# Altium PCB 1VAR_TOP.PcbDoc (part 1 of 4) (continued)
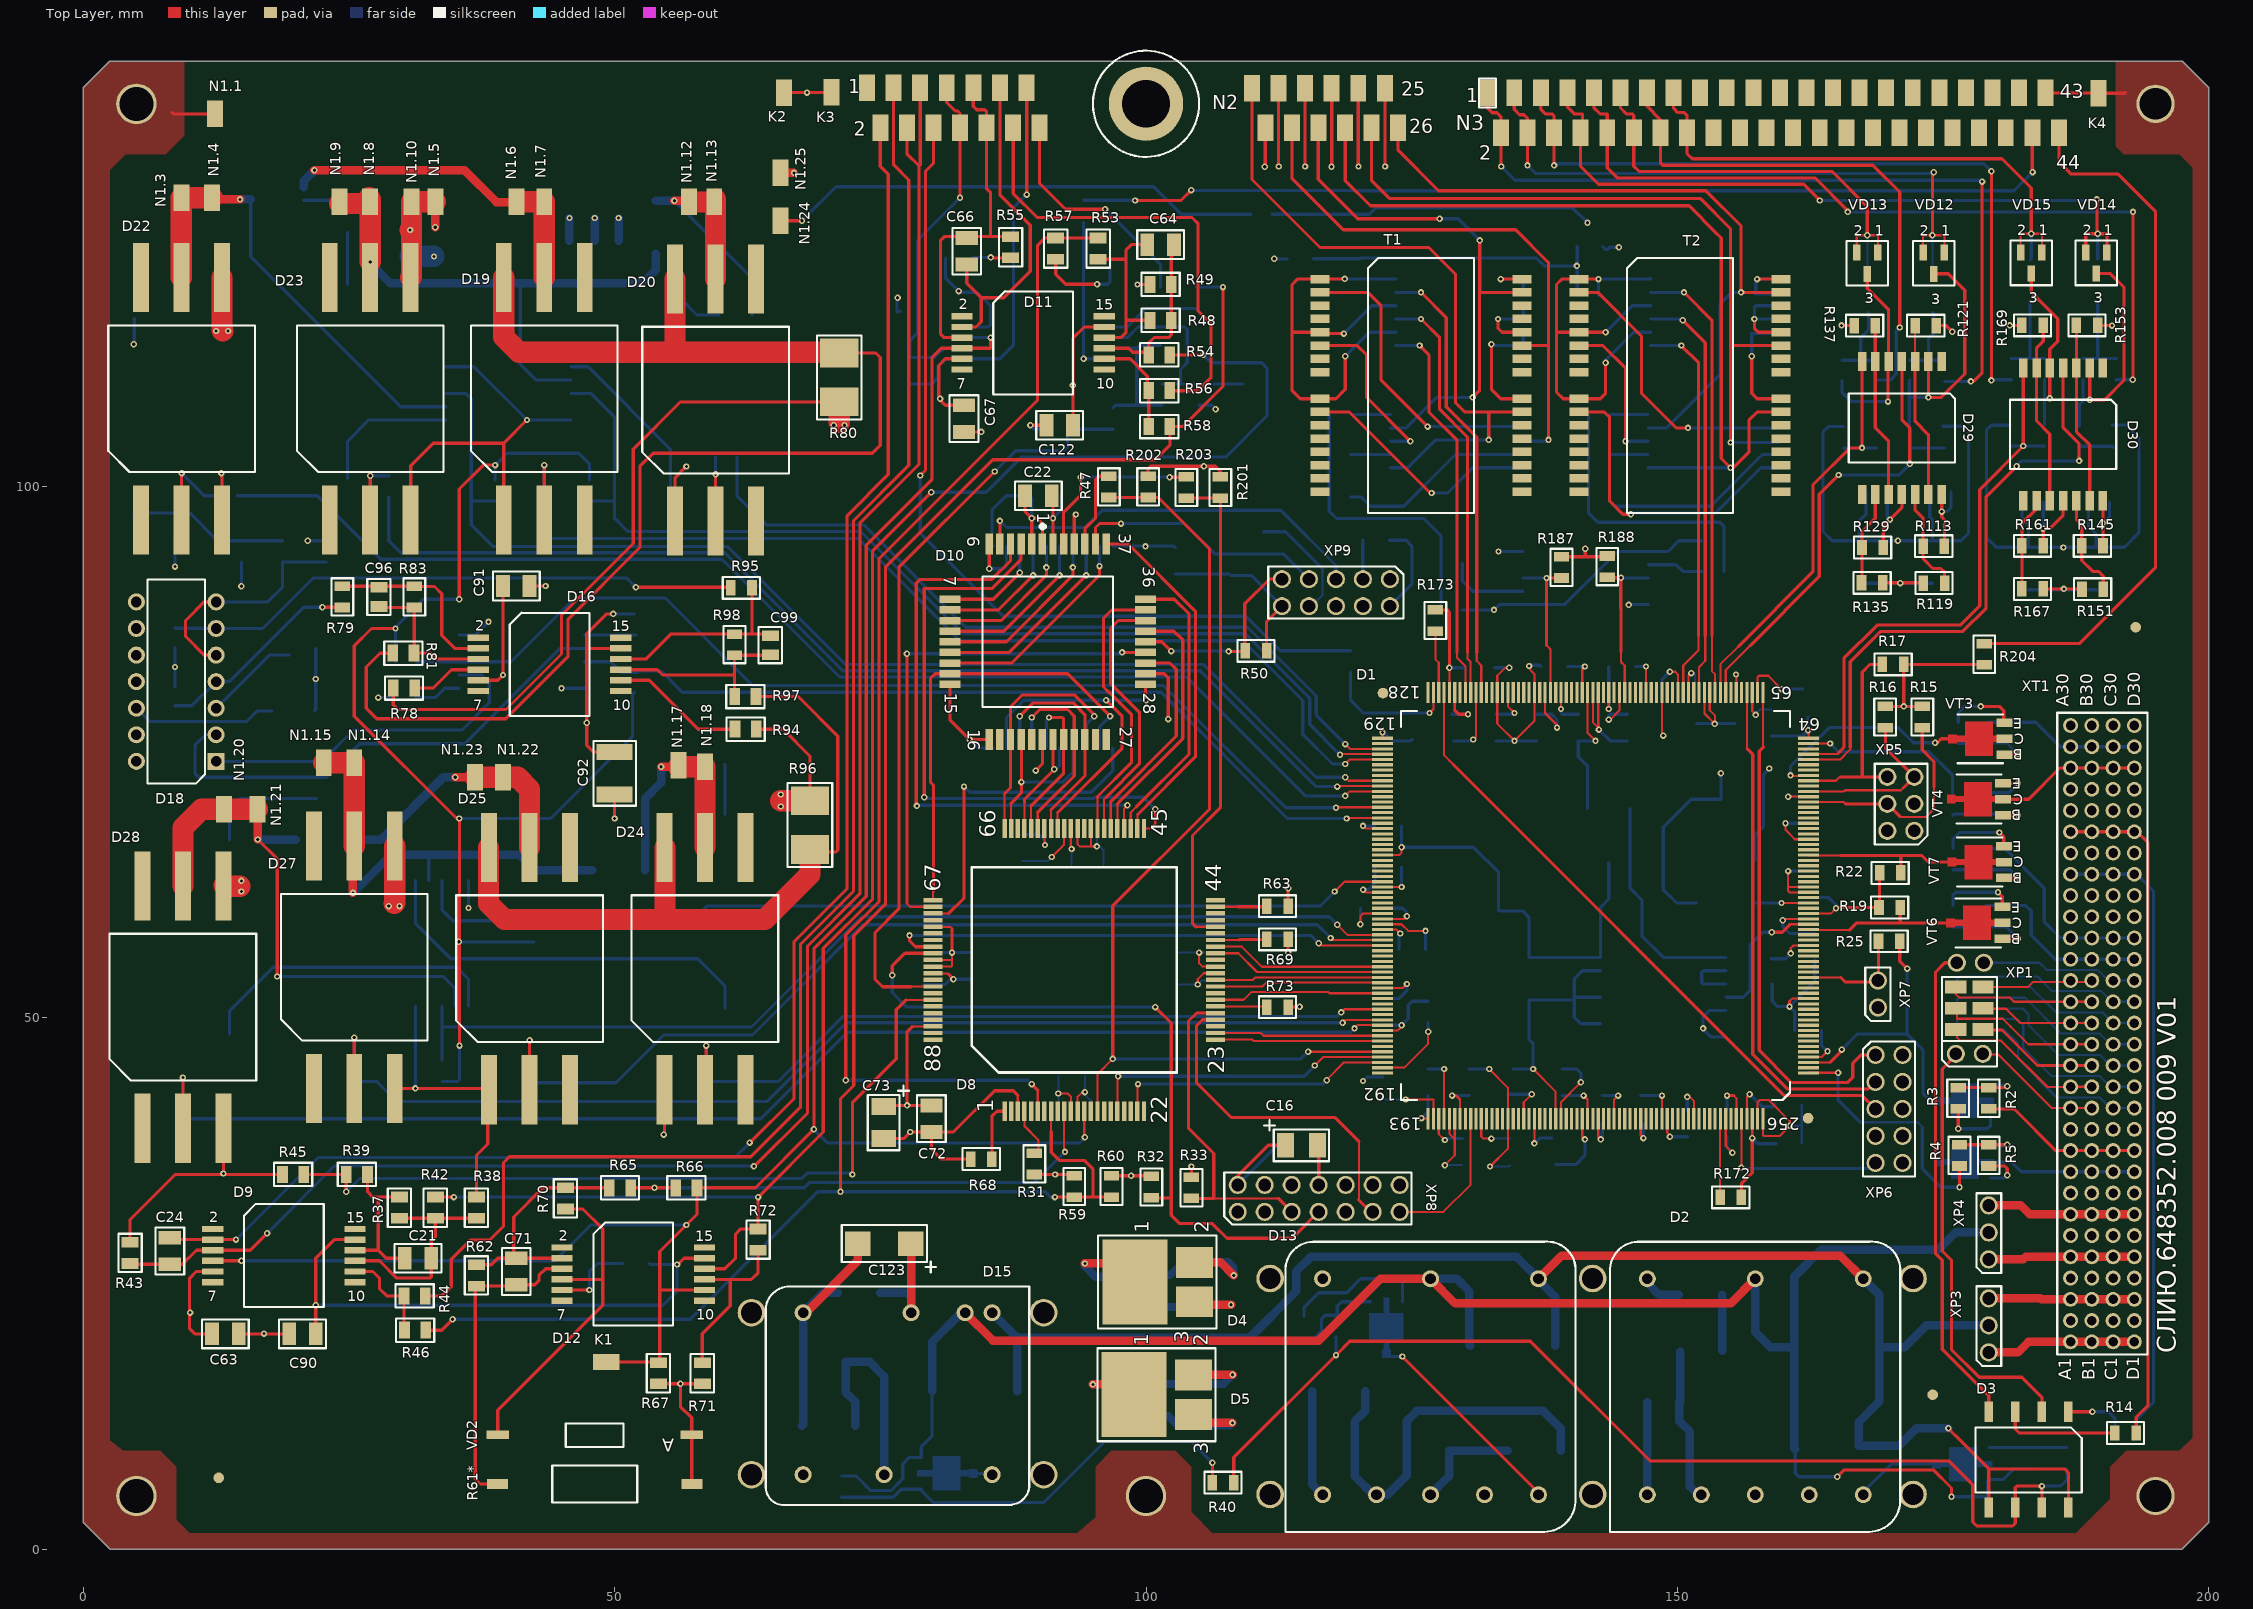
[diagram p0: Top Layer view]
## Components (designator, comment, footprint, x,y, rotation, side; value= is the part's Value field where it differs from the comment) (continued)
R60 "PartNumber" R1_112_W125 96.75,34.125 r270 top
R61* "PartNumber" C2_29V_0W125 48.125,6.125 r180 top
R62 "PartNumber" R1_8MP_0W125 37,24.75 r90 top
R63 "PartNumber" R1_112_W125 112.375,60.5 r0 top
R65 "PartNumber" R1_8MP_0W125 51.5,34 r180 top
R66 "PartNumber" R1_8MP_0W125 57.75,34 r180 top
R67 "PartNumber" R1_8MP_0W125 54.125,17.55 r270 top
R68 "PartNumber" R1_112_W125 84.5,36.7 r0 top
R69 "PartNumber" R1_112_W125 112.375,57.375 r0 top
R70 "PartNumber" R1_8MP_0W125 45.375,32 r90 top
R71 "PartNumber" R1_8MP_0W125 58.25,17.55 r270 top
R72 "PartNumber" R1_8MP_0W125 63.5,30.125 r270 top
R73 "PartNumber" R1_112_W125 112.375,51 r180 top
R74 "PartNumber" R1_112_W125 114.875,20.875 r90 bottom
R75 "PartNumber" R1_112_W125 117.875,21 r90 bottom
R76 "PartNumber" R1_112_W125 51.875,87 r90 bottom
R77 "PartNumber" R1_112_W125 30.375,83.5 r180 bottom
R78 "PartNumber" R1_8MP_0W125 29.175,81.025 r0 top
R79 "PartNumber" R1_112_W125 24.375,89.6 r270 top
R80 "PartNumber" R2_105_2W0 71.125,110.25 r270 top
R81 "PartNumber" R1_8MP_0W125 29.125,84.3 r0 top
R82 "PartNumber" R1_112_W125 14.875,93.875 r270 bottom
R83 "PartNumber" R1_112_W125 31.15,89.6 r90 top
R84 "PartNumber" R1_112_W125 43.375,99.625 r90 bottom
R85 "PartNumber" R1_112_W125 60.5,102.75 r180 bottom
R86 "PartNumber" R1_112_W25 24.875,125.5 r90 bottom
R87 "PartNumber" R1_112_W25 61.375,116.125 r0 bottom
R88 "PartNumber" R1_112_W125 47.625,99.625 r90 bottom
R89 "PartNumber" R1_112_W125 38.75,99.625 r90 bottom
R90 "PartNumber" R1_112_W125 13.5,99.125 r180 bottom
R91 "PartNumber" R1_112_W125 28.75,100 r90 bottom
R92 "PartNumber" R1_112_W125 30.25,80.125 r180 bottom
R93 "PartNumber" R1_112_W125 51.875,81.625 r270 bottom
R94 "PartNumber" R1_8MP_0W125 63.325,77.15 r180 top
R95 "PartNumber" R1_112_W125 61.925,90.45 r180 top
R96 "PartNumber" R2_105_2W0 68.375,68.125 r90 top
R97 "PartNumber" R1_8MP_0W125 63.3,80.225 r180 top
R98 "PartNumber" R1_112_W125 61.275,85.1 r90 top
R99 "PartNumber" R1_112_W125 58.5,45 r90 bottom
R100 "PartNumber" R1_112_W125 42,44.875 r90 bottom
R101 "PartNumber" R1_112_W25 58.8,73.825 r180 bottom
R102 "PartNumber" R1_112_W25 23.5,70.625 r0 bottom
R103 "PartNumber" R1_112_W125 42.4,58.125 r270 bottom
R104 "PartNumber" R1_112_W125 33.75,45 r270 bottom
R105 "PartNumber" R1_112_W125 25.5,45 r90 bottom
R106 "PartNumber" R1_112_W125 9.375,41.5 r90 bottom
R107 "PartNumber" R1_112_W125 174.75,99.5 r180 bottom
R108 "PartNumber" R1_112_W125 175,104.65 r90 bottom
R111 "PartNumber" R1_112_W125 171.825,104.625 r270 bottom
R113 "PartNumber" R1_112_W125 174.125,94.375 r180 top
R115 "PartNumber" R1_112_W125 175.125,110.875 r90 bottom
R116 "PartNumber" R1_112_W125 171.875,111 r270 bottom
R119 "PartNumber" R1_112_W125 174.15,90.9 r0 top
R121 "PartNumber" R1_112_W125 173.375,115.125 r180 top
R123 "PartNumber" R1_112_W125 168.75,99.625 r180 bottom
R124 "PartNumber" R1_112_W125 165.625,104.625 r90 bottom
R127 "PartNumber" R1_112_W125 168.75,104.625 r270 bottom
R129 "PartNumber" R1_112_W125 168.375,94.25 r180 top
R131 "PartNumber" R1_112_W125 168.75,111 r90 bottom
R132 "PartNumber" R1_112_W125 165.5,110.975 r270 bottom
R135 "PartNumber" R1_112_W125 168.325,90.925 r180 top
R137 "PartNumber" R1_112_W125 167.625,115.125 r0 top
R139 "PartNumber" R1_112_W125 189.675,98.525 r180 bottom
R140 "PartNumber" R1_112_W125 190.925,104.775 r90 bottom
R143 "PartNumber" R1_112_W125 187.825,104.7 r270 bottom
R145 "PartNumber" R1_112_W125 189.05,94.4 r180 top
R147 "PartNumber" R1_112_W125 191.3,111.025 r90 bottom
R148 "PartNumber" R1_112_W125 188.175,111.025 r270 bottom
R151 "PartNumber" R1_112_W125 189.075,90.325 r0 top
R153 "PartNumber" R1_112_W125 188.55,115.15 r180 top
R155 "PartNumber" R1_112_W125 183.425,98.525 r180 bottom
R156 "PartNumber" R1_112_W125 181.3,104.775 r90 bottom
R159 "PartNumber" R1_112_W125 184.55,104.775 r270 bottom
R161 "PartNumber" R1_112_W125 183.425,94.4 r180 top
R163 "PartNumber" R1_112_W125 181.425,111.025 r90 bottom
R164 "PartNumber" R1_112_W125 184.55,111.025 r270 bottom
R167 "PartNumber" R1_112_W125 183.425,90.35 r180 top
R169 "PartNumber" R1_112_W125 183.425,115.15 r0 top
R170 "PartNumber" R1_112_W125 126.55,50.55 r90 bottom
R171 "PartNumber" R1_112_W125 122.3,43.425 r90 bottom
R172 "PartNumber" R1_112_W125 155.025,33.1 r0 top
R173 "PartNumber" R1_112_W125 127.225,87.375 r270 top
R187 "PartNumber" R1_112_W125 139.1,92.375 r90 top
R188 "PartNumber" R1_112_W125 143.4,92.45 r90 top
R189 "PartNumber" R1_112_W125 153.25,94.875 r180 bottom
R190 "PartNumber" R1_112_W125 128.75,88.375 r0 bottom
R191 "PartNumber" R1_112_W125 141.575,117.95 r180 bottom
R192 "PartNumber" R1_112_W125 120.2,120.475 r90 bottom
R193 "PartNumber" R1_112_W125 142.625,106.75 r180 bottom
R194 "PartNumber" R1_112_W125 153.375,92 r180 bottom
R195 "PartNumber" R1_112_W125 118.25,106.75 r180 bottom
R196 "PartNumber" R1_112_W125 128.75,92.75 r0 bottom
R197 "PartNumber" R1_112_W125 142.625,99.625 r180 bottom
R198 "PartNumber" R1_112_W125 118.25,99 r180 bottom
R199 "PartNumber" R1_112_W125 142.625,103 r180 bottom
R200 "PartNumber" R1_112_W125 118.25,103 r180 bottom
R201 "PartNumber" R1_112_W125 107,99.9 r90 top
R202 "PartNumber" R1_112_W125 100.2,99.95 r90 top
R203 "PartNumber" R1_112_W125 103.8,99.9 r90 top
R204 "PartNumber" R1_112_W125 178.875,84.2 r270 top
R205 "PartNumber" R1_112_W125 119.25,83.525 r270 bottom
R206 "PartNumber" R1_112_W125 94.15,125.925 r270 bottom
R207 "PartNumber" R1_112_W125 110.85,125.6 r0 bottom
R208 "PartNumber" R1_8MP_0W125 18.75,92.875 r90 bottom
R209 "PartNumber" R1_8MP_0W125 22.875,94.875 r270 bottom
T1 "PartNumber" BTI9 125.875,109.5 r0 top
T2 "PartNumber" BTI9 150.25,109.5 r0 top locked
VD1 "2D510A" 2D510A_P 139.925,60.05 r180 bottom
VD2 "PartNumber" 2S222G 48,10.75 r180 top
VD3 "PartNumber" 2S222G 4.8,106.525 r270 bottom
VD4 "PartNumber" 2D212A_PL 18.25,119.875 r270 bottom
VD5 "PartNumber" 2S222G 24.875,110 r90 bottom
VD6 "PartNumber" 2D212A_PL 61.125,124.375 r0 bottom
VD7 "PartNumber" 2S222G 55.25,108.75 r90 bottom
VD8 "PartNumber" 2D212A_PL 50.375,56.625 r270 bottom
VD9 "PartNumber" 2S222G 60.375,60.125 r90 bottom
VD10 "PartNumber" 2D212A_PL 22.5,59.5 r270 bottom
VD11 "PartNumber" 2S222G 13.75,57.75 r90 bottom
VD12 "2D707AC9" 2D707AC9 174.125,121 r0 top
VD13 "2D707AC9" 2D707AC9 167.875,121 r0 top
VD14 "2D707AC9" 2D707AC9 189.425,121.025 r0 top
VD15 "2D707AC9" 2D707AC9 183.3,121.025 r0 top
VT1 "2T665A91" 2T665A91 177.175,42.175 r180 bottom
VT2 "2T665A91" 2T665A91 177.175,36.425 r180 bottom
VT3 "2T665A91" 2T665A91 178.5,76.25 r180 top
VT4 "2T665A91" 2T665A91 178.375,70.575 r180 top
VT5 "2T665A91" 2T665A91 177,8 r180 bottom
VT6 "2T665A91" 2T665A91 178.3,58.925 r180 top
VT7 "2T665A91" 2T665A91 178.45,64.65 r180 top
VT8 "2T665A91" 2T665A91 81.125,7.125 r0 bottom
VT9 "2T665A91" 2T665A91 122.625,21 r270 bottom
XP1 "PartNumber" SNP346_2_8P 177.475,49.75 r0 top
XP2 "PartNumber" SNP346_2_8P 177.575,52.025 r0 bottom
XP3 "SNP346-3VP21-1" SNP346_1_3 179.3,21.05 r90 top
XP4 "SNP346-3VP21-1" SNP346_1_3 179.3,29.8 r90 top
XP5 "SNP346-6VP21-2" SNP346_2_6 171.025,70.125 r90 top
XP6 "SNP346-10VP21" SNP346_2_10 169.92,41.42 r270 top
XP7 "PartNumber" SNP346_1_2 168.875,52.225 r90 top
XP8 "PartNumber" SNP346_2_14 116.25,33 r0 top
XP9 "PartNumber" SNP346_2_10 117.875,90 r180 top
XT1 "SNP388-120PP21" SNP388_120 187,19.5 r90 top locked

## Footprints (in the part's own frame and the unit in brackets; to place one, negate y for a bottom-side part, rotate by r counter-clockwise, add the part's x,y. Pads: shape width x height; smd on the part's side, far side on the other; paste and mask are expansions set on the pad)
1NT251A [mm]
  rect 1.8x0.8 smd: 1(-6.25,3.75) 2(-6.25,2.5) 3(-6.25,1.25) 4(-6.25,0) 5(-6.25,-1.25) 6(-6.25,-2.5) 7(-6.25,-3.75) 8(6.25,-3.75) 9(6.25,-2.5) 10(6.25,-1.25) 11(6.25,0) 12(6.25,1.25) 13(6.25,2.5) 14(6.25,3.75)
  silkscreen extent -3.25,-5 3.25,5
2D212A_PL [mm]
  rect 2x1.2 smd: minus(-7.25,-2.5) plus(-7.25,2.5)
  silkscreen extent -5.5,-3.8 9.2,4.25
2D510A_P [mm]
  rect 2x0.8 smd: Minus(6.75,0) Plus(-6.75,0)
  silkscreen extent -5.63,-1 1.78,1.37
2D707AC9 [mm] "М=0,01г, пластмассовый корпус, без прокладки,ручная пайка"
  rect 0.7x1.5 smd: 1(1,1) 2(-1,1) 3(0,-1)
  silkscreen extent -1.95,-2.1 1.95,2.1
2DS627A [mm]
  rect 1.8x0.8 smd: 1(-6,4.5) 2(-6,3.25) 3(-6,2) 4(-6,0.75) 5(-6,-0.5) 6(-6,-1.75) 7(-6,-3) 8(-6,-4.25) 9(6,-4.25) 10(6,-3) 11(6,-1.75) 12(6,-0.5) 13(6,0.75) 14(6,2) 15(6,3.25) 16(6,4.5)
  silkscreen extent -3.25,-5 3.25,5.25
2S222G [mm] "m_0,2g;"
  rect 2.1x0.8 smd: A(-9.25,0) C(9,0)
  silkscreen extent -2.85,-1.05 2.6,1.15
2T665A91 [mm] "корпус 4601.3-1"
  rect 1.5x0.8 smd: B(-2.28,1.5) C(-2.28,0) E(-2.28,-1.5)
  Top Layer region: -2.63,-0.275 -0.93,-0.275 -0.93,0.275 -2.63,0.275
  Top Layer region: 0.87,-0.275 2.22,-0.28 2.22,-0.4 3,-0.4 3,0.4 2.22,0.4 2.22,0.275 0.87,0.275
  Top Layer region: -1.2,-1.6 1.4,-1.6 1.4,1.6 -1.2,1.6
  silkscreen extent -2.13,-2.3 2.12,2.3
201_14_10 [mm] "1401CA1MM"
  rect 1.6x1.6 hole 1: 1(-3.75,7.5)
  round 1.6 hole 1: 2(-3.75,5) 3(-3.75,2.5) 4(-3.75,0) 5(-3.75,-2.5) 6(-3.75,-5) 7(-3.75,-7.5) 8(3.75,-7.5) 9(3.75,-5) 10(3.75,-2.5) 11(3.75,0) 12(3.75,2.5) 13(3.75,5) 14(3.75,7.5)
  silkscreen extent -2.7,-9.6 2.7,9.6
401_14_5М [mm] "44.3209.125.08(1564ТЛ2)"
  rect 1.8x0.8 smd: 1(-5.9,3.75) 2(-5.9,2.5) 3(-5.9,1.25) 4(-5.9,0) 5(-5.9,-1.25) 6(-5.9,-2.5) 7(-5.9,-3.75) 8(5.9,-3.75) 9(5.9,-2.5) 10(5.9,-1.25) 11(5.9,0) 12(5.9,1.25) 13(5.9,2.5) 14(5.9,3.75)
  silkscreen extent -3.25,-5 3.25,5
1325_KT_93 [mm]
  rect 8x6.1 smd: 1(0,2.175)
  rect 2.9x3.5 smd: 2(1.85,-3.425) 3(-1.85,-3.425)
  silkscreen extent -4.38,-5.5 4.38,5.63
2101_8_7M [mm]
  rect 1.9x0.8 smd: 1(-4.5,3.75) 2(-4.5,1.25) 3(-4.5,-1.25) 4(-4.5,-3.75) 5(4.5,-3.75) 6(4.5,-1.25) 7(4.5,1.25) 8(4.5,3.75)
  silkscreen extent -3,-5 3.1,5
4153_20_06 [mm] "1564ИР33Т ЭП"
  rect 1.8x0.8 smd: 1(-9.5,5.625) 2(-9.5,4.375) 3(-9.5,3.125) 4(-9.5,1.875) 5(-9.5,0.625) 6(-9.5,-0.625) 7(-9.5,-1.875) 8(-9.5,-3.125) 9(-9.5,-4.375) 10(-9.5,-5.625) 11(9.5,-5.625) 12(9.5,-4.375) 13(9.5,-3.125) 14(9.5,-1.875) 15(9.5,-0.625) 16(9.5,0.625) 17(9.5,1.875) 18(9.5,3.125) 19(9.5,4.375) 20(9.5,5.625)
  silkscreen extent -6,-6.5 6,6.5
4235_88_1_275 [mm] "1874ВЕ7Т   m4.5g"
  rect 1.8x0.42 smd: 1(-13.3,6.562) 2(-13.3,5.937) 3(-13.3,5.312) 4(-13.3,4.687) 5(-13.3,4.062) 6(-13.3,3.437) 7(-13.3,2.812) 8(-13.3,2.187) 9(-13.3,1.562) 10(-13.3,0.937) 11(-13.3,0.312) 12(-13.3,-0.312) 13(-13.3,-0.937) 14(-13.3,-1.562) 15(-13.3,-2.187) 16(-13.3,-2.812) 17(-13.3,-3.437) 18(-13.3,-4.062) 19(-13.3,-4.687) 20(-13.3,-5.312) 21(-13.3,-5.937) 22(-13.3,-6.562) 45(13.3,-6.562) 46(13.3,-5.937) 47(13.3,-5.312) 48(13.3,-4.687) 49(13.3,-4.062) 50(13.3,-3.437) 51(13.3,-2.812) 52(13.3,-2.187) 53(13.3,-1.562) 54(13.3,-0.937) 55(13.3,-0.312) 56(13.3,0.312) 57(13.3,0.937) 58(13.3,1.562) 59(13.3,2.187) 60(13.3,2.812) 61(13.3,3.437) 62(13.3,4.062) 63(13.3,4.687) 64(13.3,5.312) 65(13.3,5.937) 66(13.3,6.562)
  rect 0.42x1.8 smd: 23(-6.562,-13.3) 24(-5.937,-13.3) 25(-5.312,-13.3) 26(-4.687,-13.3) 27(-4.062,-13.3) 28(-3.437,-13.3) 29(-2.812,-13.3) 30(-2.187,-13.3) 31(-1.562,-13.3) 32(-0.937,-13.3) 33(-0.312,-13.3) 34(0.312,-13.3) 35(0.937,-13.3) 36(1.562,-13.3) 37(2.187,-13.3) 38(2.812,-13.3) 39(3.437,-13.3) 40(4.062,-13.3) 41(4.687,-13.3) 42(5.312,-13.3) 43(5.937,-13.3) 44(6.562,-13.3) 67(6.562,13.3) 68(5.937,13.3) 69(5.312,13.3) 70(4.687,13.3) 71(4.062,13.3) 72(3.437,13.3) 73(2.812,13.3) 74(2.187,13.3) 75(1.562,13.3) 76(0.937,13.3) 77(0.312,13.3) 78(-0.312,13.3) 79(-0.937,13.3) 80(-1.562,13.3) 81(-2.187,13.3) 82(-2.812,13.3) 83(-3.437,13.3) 84(-4.062,13.3) 85(-4.687,13.3) 86(-5.312,13.3) 87(-5.937,13.3) 88(-6.562,13.3)
  silkscreen extent -9.65,-9.65 9.65,9.65
5576XC7TFANCORT [mm]
  round 1 smd mask+1: 0(-20,20) 0(20,-20)
  rect 2x0.3 smd: 1(-20.05,15.75) 2(-20.05,15.25) 3(-20.05,14.75) 4(-20.05,14.25) 5(-20.05,13.75) 6(-20.05,13.25) 7(-20.05,12.75) 8(-20.05,12.25) 9(-20.05,11.75) 10(-20.05,11.25) 11(-20.05,10.75) 12(-20.05,10.25) 13(-20.05,9.75) 14(-20.05,9.25) 15(-20.05,8.75) 16(-20.05,8.25) 17(-20.05,7.75) 18(-20.05,7.25) 19(-20.05,6.75) 20(-20.05,6.25) 21(-20.05,5.75) 22(-20.05,5.25) 23(-20.05,4.75) 24(-20.05,4.25) 25(-20.05,3.75) 26(-20.05,3.25) 27(-20.05,2.75) 28(-20.05,2.25) 29(-20.05,1.75) 30(-20.05,1.25) 31(-20.05,0.75) 32(-20.05,0.25) 33(-20.05,-0.25) 34(-20.05,-0.75) 35(-20.05,-1.25) 36(-20.05,-1.75) 37(-20.05,-2.25) 38(-20.05,-2.75) 39(-20.05,-3.25) 40(-20.05,-3.75) 41(-20.05,-4.25) 42(-20.05,-4.75) 43(-20.05,-5.25) 44(-20.05,-5.75) 45(-20.05,-6.25) 46(-20.05,-6.75) 47(-20.05,-7.25) 48(-20.05,-7.75) 49(-20.05,-8.25) 50(-20.05,-8.75) 51(-20.05,-9.25) 52(-20.05,-9.75) 53(-20.05,-10.25) 54(-20.05,-10.75) 55(-20.05,-11.25) 56(-20.05,-11.75) 57(-20.05,-12.25) 58(-20.05,-12.75) 59(-20.05,-13.25) 60(-20.05,-13.75) 61(-20.05,-14.25) 62(-20.05,-14.75) 63(-20.05,-15.25) 64(-20.05,-15.75) 129(20.05,-15.75) 130(20.05,-15.25) 131(20.05,-14.75) 132(20.05,-14.25) 133(20.05,-13.75) 134(20.05,-13.25) 135(20.05,-12.75) 136(20.05,-12.25) 137(20.05,-11.75) 138(20.05,-11.25) 139(20.05,-10.75) 140(20.05,-10.25) 141(20.05,-9.75) 142(20.05,-9.25) 143(20.05,-8.75) 144(20.05,-8.25) 145(20.05,-7.75) 146(20.05,-7.25) 147(20.05,-6.75) 148(20.05,-6.25) 149(20.05,-5.75) 150(20.05,-5.25) 151(20.05,-4.75) 152(20.05,-4.25) 153(20.05,-3.75) 154(20.05,-3.25) 155(20.05,-2.75) 156(20.05,-2.25) 157(20.05,-1.75) 158(20.05,-1.25) 159(20.05,-0.75) 160(20.05,-0.25) 161(20.05,0.25) 162(20.05,0.75) 163(20.05,1.25) 164(20.05,1.75) 165(20.05,2.25) 166(20.05,2.75) 167(20.05,3.25) 168(20.05,3.75) 169(20.05,4.25) 170(20.05,4.75) 171(20.05,5.25) 172(20.05,5.75) 173(20.05,6.25) 174(20.05,6.75) 175(20.05,7.25) 176(20.05,7.75) 177(20.05,8.25) 178(20.05,8.75) 179(20.05,9.25) 180(20.05,9.75) 181(20.05,10.25) 182(20.05,10.75) 183(20.05,11.25) 184(20.05,11.75) 185(20.05,12.25) 186(20.05,12.75) 187(20.05,13.25) 188(20.05,13.75) 189(20.05,14.25) 190(20.05,14.75) 191(20.05,15.25) 192(20.05,15.75)
  rect 0.3x2 smd: 65(-15.75,-20.05) 66(-15.25,-20.05) 67(-14.75,-20.05) 68(-14.25,-20.05) 69(-13.75,-20.05) 70(-13.25,-20.05) 71(-12.75,-20.05) 72(-12.25,-20.05) 73(-11.75,-20.05) 74(-11.25,-20.05) 75(-10.75,-20.05) 76(-10.25,-20.05) 77(-9.75,-20.05) 78(-9.25,-20.05) 79(-8.75,-20.05) 80(-8.25,-20.05) 81(-7.75,-20.05) 82(-7.25,-20.05) 83(-6.75,-20.05) 84(-6.25,-20.05) 85(-5.75,-20.05) 86(-5.25,-20.05) 87(-4.75,-20.05) 88(-4.25,-20.05) 89(-3.75,-20.05) 90(-3.25,-20.05) 91(-2.75,-20.05) 92(-2.25,-20.05) 93(-1.75,-20.05) 94(-1.25,-20.05) 95(-0.75,-20.05) 96(-0.25,-20.05) 97(0.25,-20.05) 98(0.75,-20.05) 99(1.25,-20.05) 100(1.75,-20.05) 101(2.25,-20.05) 102(2.75,-20.05) 103(3.25,-20.05) 104(3.75,-20.05) 105(4.25,-20.05) 106(4.75,-20.05) 107(5.25,-20.05) 108(5.75,-20.05) 109(6.25,-20.05) 110(6.75,-20.05) 111(7.25,-20.05) 112(7.75,-20.05) 113(8.25,-20.05) 114(8.75,-20.05) 115(9.25,-20.05) 116(9.75,-20.05) 117(10.25,-20.05) 118(10.75,-20.05) 119(11.25,-20.05) 120(11.75,-20.05) 121(12.25,-20.05) 122(12.75,-20.05) 123(13.25,-20.05) 124(13.75,-20.05) 125(14.25,-20.05) 126(14.75,-20.05) 127(15.25,-20.05) 128(15.75,-20.05) 193(15.75,20.05) 194(15.25,20.05) 195(14.75,20.05) 196(14.25,20.05) 197(13.75,20.05) 198(13.25,20.05) 199(12.75,20.05) 200(12.25,20.05) 201(11.75,20.05) 202(11.25,20.05) 203(10.75,20.05) 204(10.25,20.05) 205(9.75,20.05) 206(9.25,20.05) 207(8.75,20.05) 208(8.25,20.05) 209(7.75,20.05) 210(7.25,20.05) 211(6.75,20.05) 212(6.25,20.05) 213(5.75,20.05) 214(5.25,20.05) 215(4.75,20.05) 216(4.25,20.05) 217(3.75,20.05) 218(3.25,20.05) 219(2.75,20.05) 220(2.25,20.05) 221(1.75,20.05) 222(1.25,20.05) 223(0.75,20.05) 224(0.25,20.05) 225(-0.25,20.05) 226(-0.75,20.05) 227(-1.25,20.05) 228(-1.75,20.05) 229(-2.25,20.05) 230(-2.75,20.05) 231(-3.25,20.05) 232(-3.75,20.05) 233(-4.25,20.05) 234(-4.75,20.05) 235(-5.25,20.05) 236(-5.75,20.05) 237(-6.25,20.05) 238(-6.75,20.05) 239(-7.25,20.05) 240(-7.75,20.05) 241(-8.25,20.05) 242(-8.75,20.05) 243(-9.25,20.05) 244(-9.75,20.05) 245(-10.25,20.05) 246(-10.75,20.05) 247(-11.25,20.05) 248(-11.75,20.05) 249(-12.25,20.05) 250(-12.75,20.05) 251(-13.25,20.05) 252(-13.75,20.05) 253(-14.25,20.05) 254(-14.75,20.05) 255(-15.25,20.05) 256(-15.75,20.05)
  silkscreen extent -18.3,-18.31 18.3,18.29
BTI9 [mm] "inst 34 form 44.3023.193.26 massa 3 prokl -62"
  rect 1.8x0.8 smd: 1(-9.5,10) 2(-9.5,8.75) 3(-9.5,7.5) 4(-9.5,6.25) 5(-9.5,5) 6(-9.5,3.75) 7(-9.5,2.5) 8(-9.5,1.25) 9(-9.5,-1.25) 10(-9.5,-2.5) 11(-9.5,-3.75) 12(-9.5,-5) 13(-9.5,-6.25) 14(-9.5,-7.5) 15(-9.5,-8.75) 16(-9.5,-10) 17(9.5,-10) 18(9.5,-8.75) 19(9.5,-7.5) 20(9.5,-6.25) 21(9.5,-5) 22(9.5,-3.75) 23(9.5,-2.5) 24(9.5,-1.25) 25(9.5,1.25) 26(9.5,2.5) 27(9.5,3.75) 28(9.5,5) 29(9.5,6.25) 30(9.5,7.5) 31(9.5,8.75) 32(9.5,10)
  silkscreen extent -5,-12 5,12
C2_29V_0W125 [mm] "0.3"
  rect 2x0.9 smd: 1(-9.15,0) 2(9.15,0)
  silkscreen extent -4,-1.75 4,1.75
GK108P [mm]
  rect 2x2.3 smd: 1(2,-2.75) 2(2,2.75) 3(-2,2.75) 4(-2,-2.75)
  silkscreen extent -3.6,-4.82 4.06,4.35
H04_16_1B [mm] "крыло чайки ОСТ 11 073.063-84,m<1g"
  rect 2x0.6 smd: 2(-6.7,2.5) 3(-6.7,1.5) 4(-6.7,0.5) 5(-6.7,-0.5) 6(-6.7,-1.5) 7(-6.7,-2.5) 10(6.7,-2.5) 11(6.7,-1.5) 12(6.7,-0.5) 13(6.7,0.5) 14(6.7,1.5) 15(6.7,2.5)
  silkscreen extent -3.75,-4.85 3.75,4.86
H14_42_1B [mm] "Form 44и.3268.193  Install 46б massa 1.5, прокладка СЛИЮ.754141.245"
  rect 2x0.7 smd: 1(-9.2,-0.5) 2(-9.2,-1.5) 3(-9.2,-2.5) 4(-9.2,-3.5) 5(-9.2,-4.5) 6(-9.2,-5.5) 16(9.2,-5.5) 17(9.2,-4.5) 18(9.2,-3.5) 19(9.2,-2.5) 20(9.2,-1.5) 21(9.2,-0.5) 22(9.2,0.5) 23(9.2,1.5) 24(9.2,2.5) 25(9.2,3.5) 26(9.2,4.5) 27(9.2,5.5) 37(-9.2,5.5) 38(-9.2,4.5) 39(-9.2,3.5) 40(-9.2,2.5) 41(-9.2,1.5) 42(-9.2,0.5)
  rect 0.7x2 smd: 7(-4,-9.2) 8(-3,-9.2) 9(-2,-9.2) 10(-1,-9.2) 11(0,-9.2) 12(1,-9.2) 13(2,-9.2) 14(3,-9.2) 15(4,-9.2) 28(4,9.2) 29(3,9.2) 30(2,9.2) 31(1,9.2) 32(0,9.2) 33(-1,9.2) 34(-2,9.2) 35(-3,9.2) 36(-4,9.2)
  silkscreen extent -11.22,-6.15 6.15,6.15
K#1 [mm]
  rect 2.5x1.5 smd: 1(0,0)
  body extent -1.25,-0.85 1.25,0.85, height 0.25
K#2 [mm]
  rect 2.5x1.5 smd far side: 1(-2.375,0)
  body extent -1.25,-0.85 1.25,0.85, height 0.25
K#3 [mm]
  rect 2.5x1.5 smd: 1(0.15,0)
  body extent -1.25,-0.85 1.25,0.85, height 0.25
K#4 [mm]
  rect 2.5x1.5 smd: 1(-0.35,0)
  body extent -1.25,-0.85 1.25,0.85, height 0.25
K#5 [mm]
  rect 2.5x1.5 smd: 1(-0.725,0)
  body extent -1.25,-0.85 1.25,0.85, height 0.25
K#6 [mm]
  rect 2.5x1.5 smd: 1(-0.1,0)
  body extent -1.25,-0.85 1.25,0.85, height 0.25
K#7 [mm]
  rect 2.5x1.5 smd far side: 1(0,0)
  body extent -1.25,-0.85 1.25,0.85, height 0.25
K#8 [mm]
  rect 2.5x1.5 smd: 1(0.525,0)
  body extent -1.25,-0.85 1.25,0.85, height 0.25
K#9 [mm]
  rect 2.5x1.5 smd far side: 1(-2.75,0)
  body extent -1.25,-0.85 1.25,0.85, height 0.25
K#10 [mm]
  rect 2.5x1.5 smd far side: 1(-2.5,0)
  body extent -1.25,-0.85 1.25,0.85, height 0.25
K53_56A_TYPE2 [mm]
  rect 1.6x2.3 smd: minus(1.5,0) plus(-1.5,0)
  silkscreen extent -3.5,-1.5 2.6,2.38
K53_56A_TYPE3 [mm]
  rect 2.4x2.3 smd: minus(2.5,0) plus(-2.5,0)
  silkscreen extent -4.87,-1.75 4,2.7
K53_56A_TYPE4 [mm]
  rect 2.4x3.3 smd: Minus(3,0) Plus(-3,0)
  silkscreen extent -4.5,-2.5 4.5,2.5
K1017V_1 [mm] "massa 0.1gr"
  rect 1x1.6 smd: 1(-0.9,0) 2(0.9,0)
  silkscreen extent -1.7,-1.1 1.7,1.1
K1017V_4 [mm]
  rect 1.3x2.1 smd: 1(-1.25,0) 2(1.25,0)
  silkscreen extent -2.2,-1.35 2.2,1.35
K1017V_5 [mm]
  rect 1.5x3.4 smd: 1(-2,0) 2(2,0)
  silkscreen extent -3.05,-2 3.05,2
K1017V_6 [mm]
  rect 1.5x3.4 smd: 1(-2,0) 2(2,0)
  silkscreen extent -3.05,-2 3.05,2
K1047V_1 [mm]
  rect 1.4x3.4 smd: 1(-2.05,0) 2(2.05,0)
  silkscreen extent -3.1,-2 3.1,2
K1047V_3 [mm] "3 type"
  rect 1.8x7 smd: 1(-4,0) 2(4,0)
  silkscreen extent -5.35,-3.95 5.35,3.95
KOL26 [mm]
  rect 1.5x2.5 smd: 1(-16.5,10) 2(-15.25,6.25) 3(-14,10) 4(-12.75,6.25) 5(-11.5,10) 6(-10.25,6.25) 7(-9,10) 8(-7.75,6.25) 9(-6.5,10) 10(-5.25,6.25) 11(-4,10) 12(-2.75,6.25) 13(-1.5,10) 14(-0.275,6.225) 15(19.725,9.975) 16(20.975,6.225) 17(22.225,9.975) 18(23.475,6.225) 19(24.725,9.975) 20(25.975,6.225) 21(27.225,9.975) 22(28.475,6.225) 23(29.725,9.975) 24(30.975,6.225) 25(32.225,9.975) 26(33.475,6.225)
KOL44 [mm]
  rect 1.5x2.5 smd: 1(-26.875,1.875) 2(-25.625,-1.875) 3(-24.375,1.875) 4(-23.125,-1.875) 5(-21.875,1.875) 6(-20.625,-1.875) 7(-19.375,1.875) 8(-18.125,-1.875) 9(-16.875,1.875) 10(-15.625,-1.875) 11(-14.375,1.875) 12(-13.125,-1.875) 13(-11.875,1.875) 14(-10.625,-1.875) 15(-9.375,1.875) 16(-8.125,-1.875) 17(-6.875,1.875) 18(-5.625,-1.875) 19(-4.375,1.875) 20(-3.125,-1.875) 21(-1.875,1.875) 22(-0.625,-1.875) 23(0.625,1.875) 24(1.875,-1.875) 25(3.125,1.875) 26(4.375,-1.875) 27(5.625,1.875) 28(6.875,-1.875) 29(8.125,1.875) 30(9.375,-1.875) 31(10.625,1.875) 32(11.875,-1.875) 33(13.125,1.875) 34(14.375,-1.875) 35(15.625,1.875) 36(16.875,-1.875) 37(18.125,1.875) 38(19.375,-1.875) 39(20.625,1.875) 40(21.875,-1.875) 41(23.125,1.875) 42(24.375,-1.875) 43(25.625,1.875) 44(26.875,-1.875)
  silkscreen extent -27.67,0.52 -26.07,3.21
KT107 [mm] "postavka_formovannaya(249КП23Т_ручная_пайка)"
  rect 6.5x1.5 smd: 1(-11.4,3.81) 2(-11.4,0) 3(-11.4,-3.81) 4(11.4,-3.81) 5(11.4,0) 6(11.4,3.81)
  silkscreen extent -6.9,-6.9 6.9,6.9
R1_8MP_0W125 [mm]
  rect 1x1.6 smd: 1(0,0) 2(2,0)
  silkscreen extent -0.8,-1.1 2.8,1.1
R1_112_W25 [mm]
  rect 1.05x1.8 smd: 1(-1.55,0) 2(1.55,0)
  silkscreen extent -2.37,-1.2 2.37,1.2
R1_112_W125 [mm]
  rect 0.9x1.45 smd: 1(-1,0) 2(1,0)
  silkscreen extent -1.75,-1.02 1.75,1.02
R2_105_2W0 [mm] "m=0.15, корпус2515"
  rect 2.7x3.6 smd: 1(-2.3,0) 2(2.3,0)
  silkscreen extent -3.95,-2.1 3.95,2.1
SLH2800S [mm] "SLH2805D/HP, dvch2800d"
  round 1.6 hole 1: 1(-8.89,-7.62) 2(-6.35,-7.62) 3(-1.27,-7.62) 4(8.89,-7.62) 5(8.89,7.62) 6(1.27,7.62) 7(-8.89,7.62)
  silkscreen extent -12.39,-10.07 12.41,10.47
SMSA2805S [mm]
  round 1.6 hole 1: 1(-10.16,-10.16) 2(-5.08,-10.16) 3(0,-10.16) 4(5.08,-10.16) 5(10.16,-10.16) 6(10.16,10.16) 7(0,10.16) 8(-10.16,10.16)
  silkscreen extent -13.66,-13.66 13.64,13.65
SNP346_1_2 [mm]
  round 1.7 hole 1.2: 1(-1.27,0) 2(1.27,0)
  silkscreen extent -2.54,-1.18 2.51,1.2
SNP346_1_3 [mm]
  round 1.7 hole 1.2: 1(-2.54,0) 2(0,0) 3(2.54,0)
  silkscreen extent -3.81,-1.18 3.68,1.14, body extent -3.8,-1.17 3.7,1.15, height 6.2
SNP346_2_6 [mm]
  round 1.7 hole 1.2: 1(-2.54,-1.27) 2(-2.54,1.27) 3(0,-1.27) 4(0,1.27) 5(2.54,-1.27) 6(2.54,1.27)
  silkscreen extent -3.81,-2.52 3.77,2.45, body extent -3.85,-2.5 3.77,2.4, height 6.2
SNP346_2_8P [mm]
  round 1.7 hole 1.2: 1(-1.275,-3.15) 2(1.265,-3.15)
  rect 2x1.2 smd: 3(-1.275,-0.85) 4(1.275,-0.85) 5(-1.275,1.15) 6(1.275,1.15) 7(-1.275,3.15) 8(1.275,3.15)
  silkscreen extent -2.57,-4.35 2.6,4.1, body extent -2.58,-4.38 2.6,3.85, height 6.2
SNP346_2_10 [mm]
  round 1.7 hole 1.2: 1(-5.08,-1.27) 2(-5.08,1.27) 3(-2.54,-1.27) 4(-2.54,1.27) 5(0,-1.27) 6(0,1.27) 7(2.54,-1.27) 8(2.54,1.27) 9(5.08,-1.27) 10(5.08,1.27)
  silkscreen extent -6.35,-2.45 6.37,2.45, body extent -6.36,-2.45 6.35,2.45, height 6.2
SNP346_2_14 [mm]
  round 1.7 hole 1.2: 1(-7.62,-1.27) 2(-7.62,1.27) 3(-5.08,-1.27) 4(-5.08,1.27) 5(-2.54,-1.27) 6(-2.54,1.27) 7(0,-1.27) 8(0,1.27) 9(2.54,-1.27) 10(2.54,1.27) 11(5.08,-1.27) 12(5.08,1.27) 13(7.62,-1.27) 14(7.62,1.27)
  silkscreen extent -8.89,-2.45 8.73,2.45, body extent -8.9,-2.45 8.7,2.45, height 6.2
SNP388_120 [mm] "переходник с кожухом m=21g"
  round 1.4 hole 0.9: 1(0,0) 2(2,0) 3(4,0) 4(6,0) 5(8,0) 6(10,0) 7(12,0) 8(14,0) 9(16,0) 10(18,0) 11(20,0) 12(22,0) 13(24,0) 14(26,0) 15(28,0) 16(30,0) 17(32,0) 18(34,0) 19(36,0) 20(38,0) 21(40,0) 22(42,0) 23(44,0) 24(46,0) 25(48,0) 26(50,0) 27(52,0) 28(54,0) 29(56,0) 30(58,0) 31(0,-2) 32(2,-2) 33(4,-2) 34(6,-2) 35(8,-2) 36(10,-2) 37(12,-2) 38(14,-2) 39(16,-2) 40(18,-2) 41(20,-2) 42(22,-2) 43(24,-2) 44(26,-2) 45(28,-2) 46(30,-2) 47(32,-2) 48(34,-2) 49(36,-2) 50(38,-2) 51(40,-2) 52(42,-2) 53(44,-2) 54(46,-2) 55(48,-2) 56(50,-2) 57(52,-2) 58(54,-2) 59(56,-2) 60(58,-2) 61(0,-4) 62(2,-4) 63(4,-4) 64(6,-4) 65(8,-4) 66(10,-4) 67(12,-4) 68(14,-4) 69(16,-4) 70(18,-4) 71(20,-4) 72(22,-4) 73(24,-4) 74(26,-4) 75(28,-4) 76(30,-4) 77(32,-4) 78(34,-4) 79(36,-4) 80(38,-4) 81(40,-4) 82(42,-4) 83(44,-4) 84(46,-4) 85(48,-4) 86(50,-4) 87(52,-4) 88(54,-4) 89(56,-4) 90(58,-4) 91(0,-6) 92(2,-6) 93(4,-6) 94(6,-6) 95(8,-6) 96(10,-6) 97(12,-6) 98(14,-6) 99(16,-6) 100(18,-6) 101(20,-6) 102(22,-6) 103(24,-6) 104(26,-6) 105(28,-6) 106(30,-6) 107(32,-6) 108(34,-6) 109(36,-6) 110(38,-6) 111(40,-6) 112(42,-6) 113(44,-6) 114(46,-6) 115(48,-6) 116(50,-6) 117(52,-6) 118(54,-6) 119(56,-6) 120(58,-6)
  silkscreen extent -1.2,-7.25 59.2,1.25, body extent -3.16,-8.65 61.14,2.65, height 9.35

## Part data
C1: library part K53-56-50V-3u3F±20, "TYPE4"
C2 C65 C86: library part K10-47V-50V-0u47F, "ChipCapasitor"
C3 C7 C9 C10: library part K53-56-10V-6u8F±20, "TYPE2"
C4 C8 C11 C13 C15 C68 C69 C84 C87 C92 C94 C100 C104 C108 C112: library part K10-17V-N90-0u1F, "K10_17V_N90_5"
C5 C6: library part K10-47V-100V-0u01F, "ChipCapasitor"
C12 C16 C23 C73 C77 C79 C81 C83: library part K53-56-6.3V-10uF±20, "TYPE2"
C14: library part K10-17V-N90-0u47F, "ChipCapasitor"
C17 C20 C22 C25 C26 C27 C28 C29 C30 C31 C32 C33 C34 C35 C36 C37 C38 C39 C40 C41 C42 C43 C44 C45 C46 C47 C48 C49 C50 C51 C52 C53 C54 C55 C56 C57 C58 C59 C60 C61 C62 C63 C67 C70 C72 C74 C75 C76 C78 C80 C82 C89 C90 C91 C93 C97 C120 C121 C122: library part K10-17V-N90-0u068F, "ChipCapasitor"
C18 C19 C21 C24 C64 C66 C71: library part K10-17V-N50-0u015F, "K10_17V_N50_4"
C85 C88 C123 C124: library part K53-56-20V-10uF±20, "TYPE3"
C95 C98: library part K10-17V-N50-1000pF, "K10_17V_N50_1"
C96 C99: library part K10-17V-M47-22pF±5, "K10_17V_M47_2"
C102 C106 C110 C114: library part K10-17V-N50-0u022F, "K10_17V_N50_5"
D1: library part 5576XC7T, "ПЛИС"
D2: library part SMSA28xxS, "DC/DC 5W single"
D3: "2x SS-relay"
D4: library part 1325EN3_3U, "Volt reg, Iout=0.8A, Uout=3.3V"
D5: library part 1325EN1_8U, "Volt reg, Iout=0.8A, Uout=1.8V"
D6: "Инв.+гист. х6"
D7 D9 D11 D12 D16: library part 544UD16U3, "operational amplifier"
D8: library part 1874VE7T, "16-bit microcontroller (based on MCS-96)"
D10: library part 1636RR1AU, "EEPLD"
D13: library part SMSA2815D_KR, "DC/DC 5W dual"
D14: library part 1564IR33T
D15: library part SLH2812D_KR, "DC/DC 1.5W dual"
D17 D21 D26 D34: library part 249KP1S, "2ch transistor optocouple"
D18: library part 1401SA1, "4ch volt compar Up=5-30V, Iin<=100nA, output-open collector"
D19 D20 D22 D23 D24 D25 D27 D28: library part 249KP23T, "2ch SS-relay"
D29 D30 D36 D38: library part 1NT251A, "4x n-p-n"
D35 D37: library part 2DS627_BLOCK, "2DS627_BLOCK"
G1: "oscillator 3V3"
N2: library part bSNP333-26, "board analog SNP333-26"
N3: library part bSNP333-44, "board analog SNP333-44"
R1 R6 R11 R19 R22 R41 R74: library part R1-112-0W125-302±5, "chip"
R2 R7 R20 R23: library part R1-112-0W125-822±5, "chip"
R3 R5 R8 R10 R21 R24 R31 R32 R33 R50 R51 R52 R107 R115 R119 R123 R131 R135 R139 R147 R151 R155 R163 R167 R191 R192: library part R1-112-0W125-102±5, "chip"
R4 R9: library part R1-112-0W125-512±5, "chip"
R12 R40 R75: library part R1-112-0W125-273±5, "chip"
R13 R14 R204 R205 R207: library part R1-112-0W125-561±5, "chip"
R15 R16 R17 R25 R77 R79 R88 R89 R93 R95 R103 R104 R170 R171 R172 R173 R187 R188: library part R1-112-0W125-103±5, "chip"
R18: library part R1-112-0W125-563±5, "chip"
R26 R37 R48: library part R1-8MP-0w125-1003±0,1, "chip"
R27 R38 R49: library part R1-8MP-0w125-2492±0,1, "chip"
R28 R39 R53: library part R1-8MP-0w125-2051±0,5, "chip"
R29 R34 R36 R42 R44 R46 R54 R56 R58: library part R1-8MP-0w125-2052±0,1, "chip"
R30 R43 R55 R67 R71: library part R1-8MP-0W125-1001±0,5, "chip"
R35 R45 R57: library part R1-8MP-0w125-5110±0,5, "chip"
R47 R63 R68 R69 R73 R203: library part R1-112-0W125-101±5, "chip"
R59 R60 R121 R137 R153 R169: library part R1-112-0W125-623±5, "chip"
R61*: library part C2-29V-0W125-6491±0_1
R62: library part R1-8MP-0w125-3651±0,1, "chip"
R65: library part R1-8MP-0w125-7681±0,1, "chip"
R66: library part R1-8MP-0w125-1331±0,1, "chip"
R70: library part R1-8MP-0w125-4870±0,5, "chip"
R72: library part R1-8MP-0w125-2801±0,5, "chip"
R76 R92 R201 R202 R206: library part R1-112-0W125-202±5, "chip"
R78 R81 R94 R97 R208 R209: library part R1-8MP-0W125-4991±0,1, "chip"
R80 R96: library part R2-105-2W-R01±5, "chip"
R82 R189 R190: library part R1-112-0W125-751±5, "chip"
R83 R98 R111 R113 R127 R129 R143 R145 R159 R161: library part R1-112-0W125-304±5, "chip"
R84 R85 R90 R91 R99 R100 R105 R106: library part R1-112-0W125-201±1, "chip"
R86 R87 R101 R102: library part R1-112-0W25-392±5, "chip"
R108 R124 R140 R156: library part R1-112-0W125-153±5, "chip"
R116 R132 R148 R164: library part R1-112-0W125-223±5, "chip"
R193 R195 R197 R198 R199 R200: library part R1-112-0W125-911±5, "chip"
R194 R196: library part R1-112-0W125-621±5, "chip"
T1 T2: library part BTI9-215, "BTI9-215"
VD1: "диод"
VD2 VD3: library part 2S108D
VD4 VD6 VD8 VD10: library part 2D212A, "2D212A"
VD5 VD7 VD9 VD11: library part 2S212ZH, "2S212ZH"
VT1 VT2 VT3 VT4 VT5 VT6 VT7 VT8 VT9: "n-p-n"
XP1 XP2: library part SNP346-8VP21-1, "PLS-8"
XP3 XP4: "PLS-3"
XP5: "PLD-6"
XP6: library part SNP346-10VP21-2, "PLD-10 for JTAG"
XP7: library part SNP346-2VP21-1, "PLS-2"
XP8: library part snp346-14vp-21-2, "PLD-14"
XP9: library part SNP346-10VP21-2m, "PLD-10"
XT1: "PC-104 120 pin"

## Free pads (board coordinates)
  round 1 smd mask+1: 0(12.75,6.7) 0(174.025,14.525) 0(193.125,86.75)
  round 1 smd far side mask+1: 0(13.6,6.7) 0(182.775,14.9) 0(193.125,85.825)
  round 2.6 hole 2 mask+0.15: 0(62.875,7) 0(62.875,22.25) 0(90.375,7) 0(90.375,22.25) 0(111.675,5.14) 0(142.025,5.14) 0(172.175,5.14) 0(172.175,25.46) mount1(111.675,25.46)
  round 2.6 hole 2: 0(142.025,25.46)
  round 3.8 hole 3.2: mh(5,5) mh(5,136) mh(100,5)
  round 7 hole 4.5: mh(100,136)
  round 3.6 hole 3: mh(195,5) mh(195,136)

## Via types
v1: diameter 0.6, hole 0.3, Top Layer to Bottom Layer, 392 vias